# Altium PCB 2017_IHM.PcbDoc (part 2 of 2) (continued)
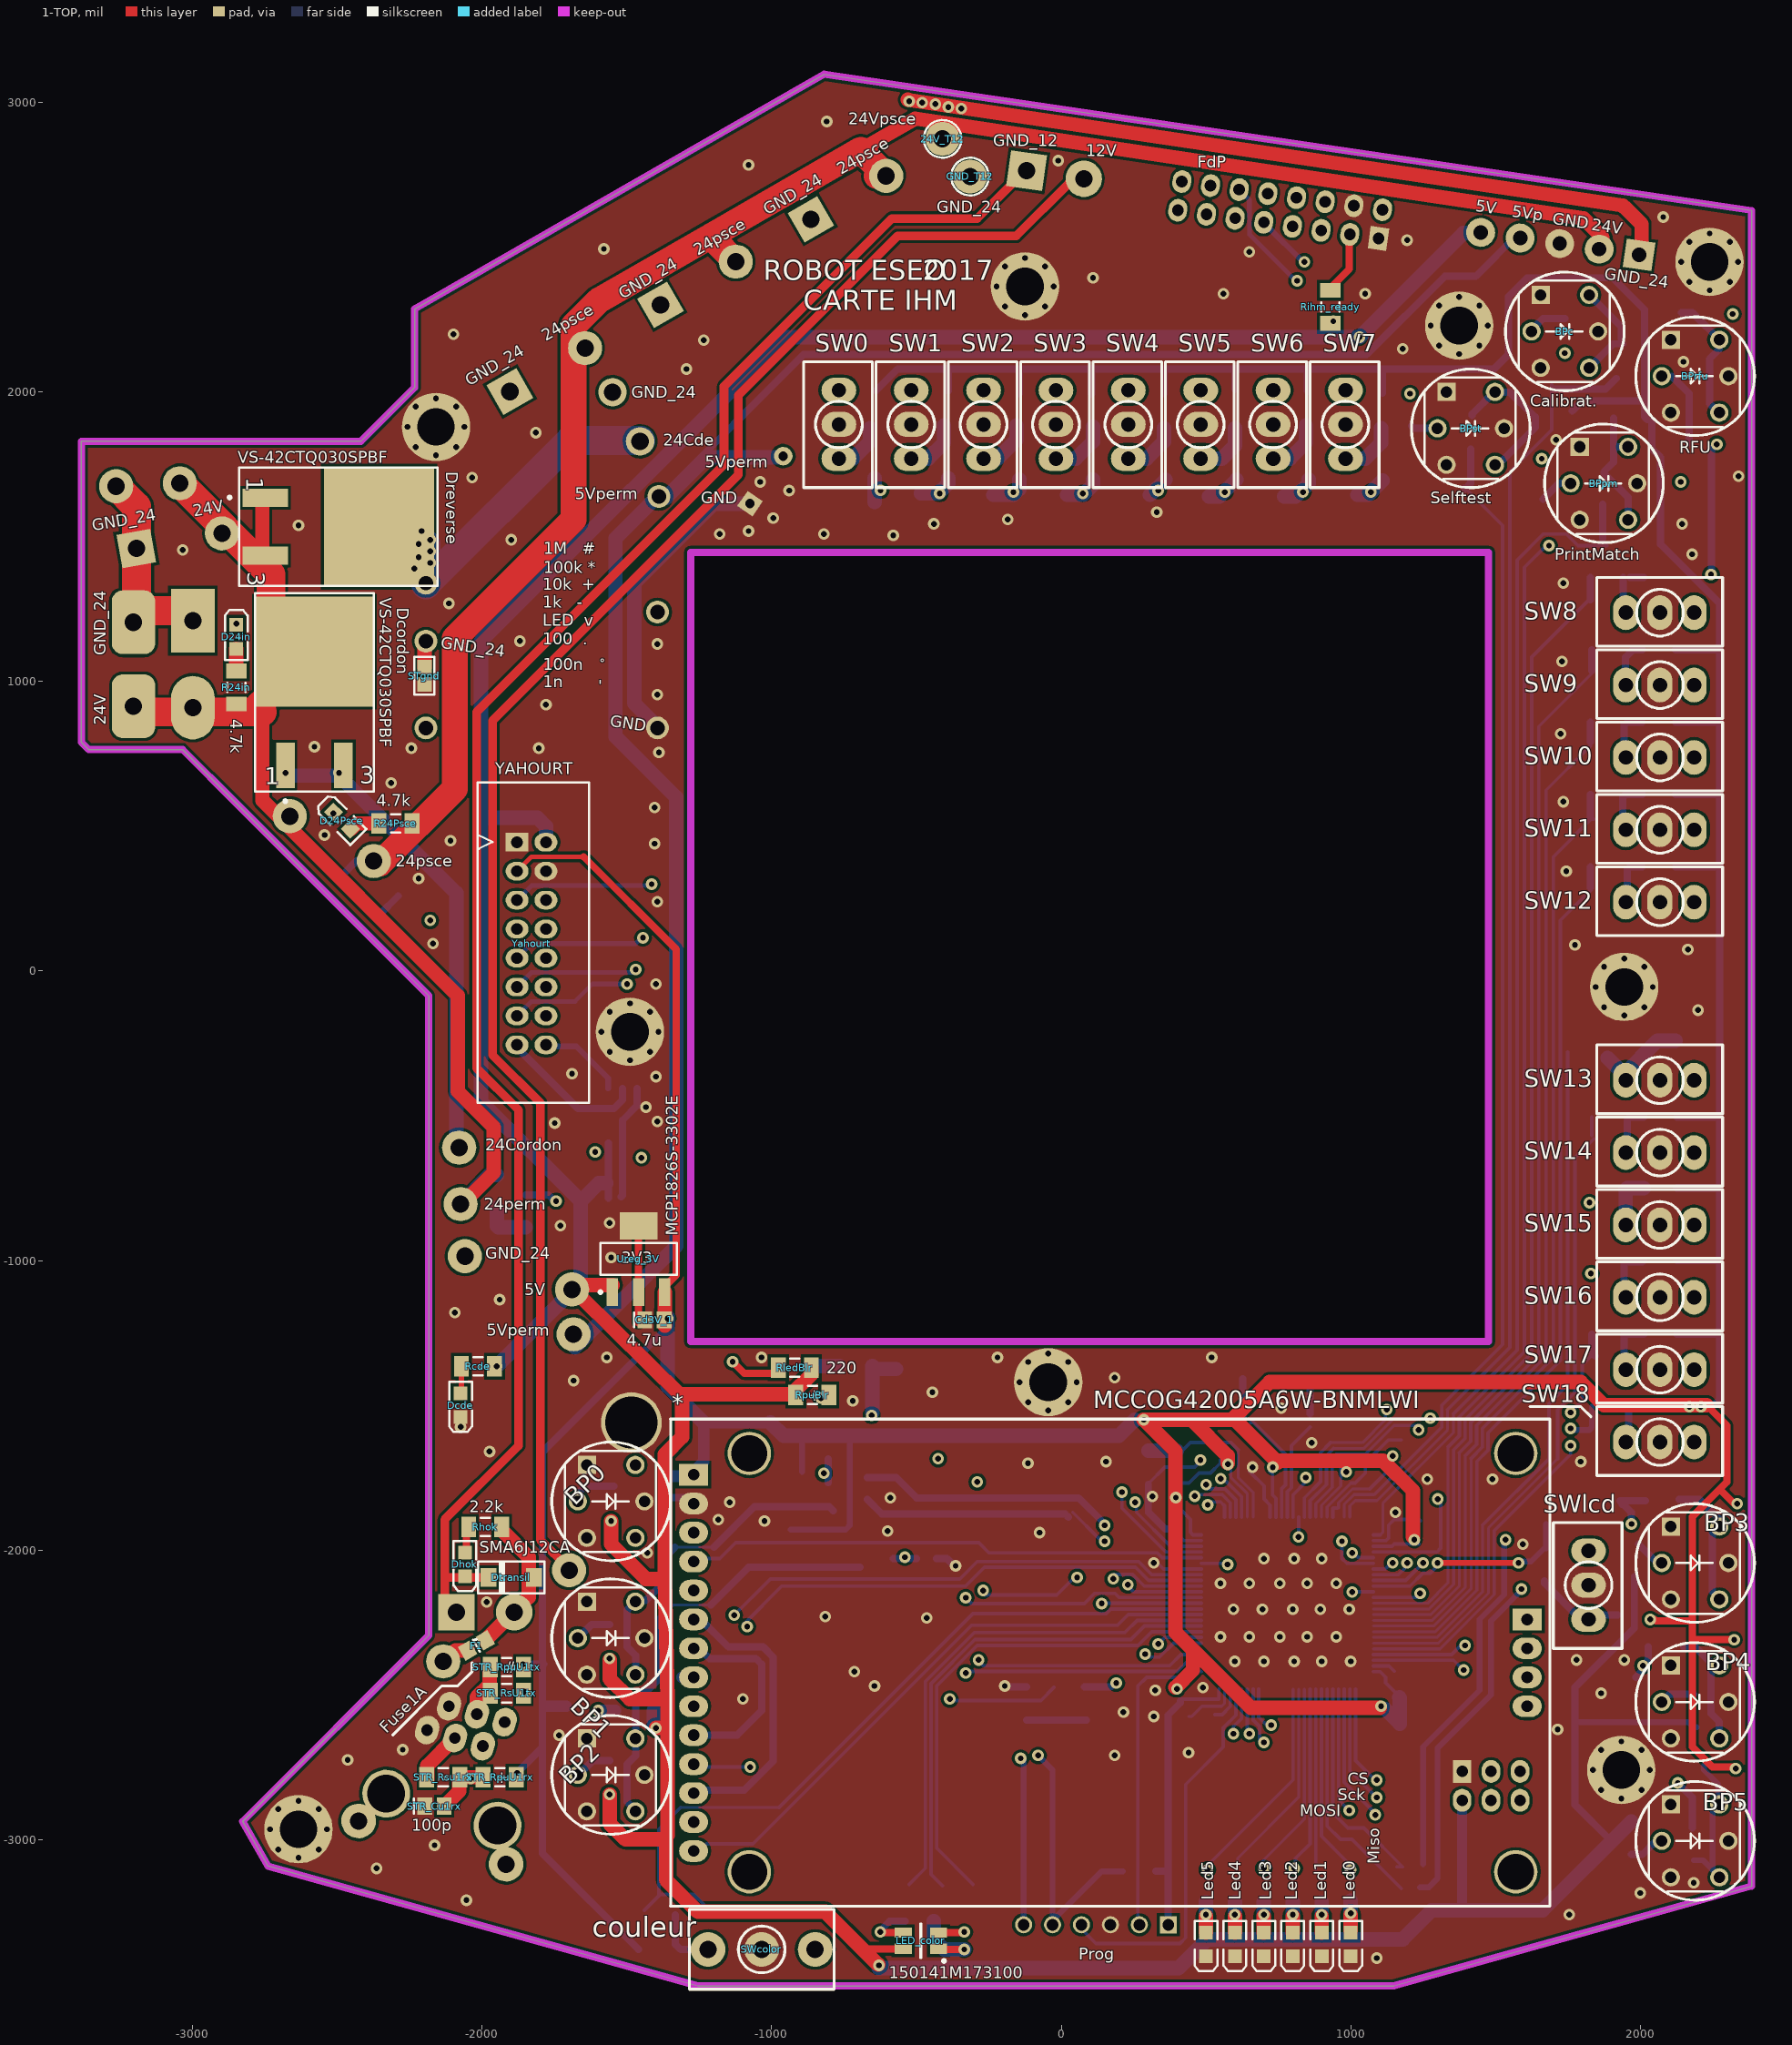
[diagram p0: 1-TOP view]
## Nets (pads, with @x,y where several pads share a name; then routed paths per layer and width w, separated by ;. In a path a pad name is that pad's centre, name@x,y a point inside that pad or via, vN(x,y) a via of type N, cw(c..) or ccw(c..) an arc to the next point about the centre after c; other vN are vias at no path point) (continued)
  2-SIGNAL w12: *.5@-1260,-2150 -625,-2150 -400,-2375 -290,-2375 v1(-285,-2380)
  4-BOT w12: v1@-275,-2395 -270,-2400 375,-2400 413.82,-2361.18 STM32.79@483.74,-2361.18
PC13_WHO_AM_I: STM32.7 STR_RdwnWAmI.2 STR_RupWAmI.1 | length 562.9
  4-BOT w10: 610.98,-1654.02 610.98,-1749.02 662.87,-1800.91 STM32.7@662.87,-1886.77
  4-BOT w12: STR_RupWAmI.1@420.98,-1654.02 445.98,-1629.02 585.98,-1629.02 610.98,-1654.02
  4-BOT w50: STR_RdwnWAmI.2@300.98,-1656.93 STR_RupWAmI.1@395.98,-1656.93 STR_RupWAmI.1@398.9,-1656.93
PD0_CANRX: STM32.81 STR_Ucan.4 | length 3196.8
  2-SIGNAL w20: v1@-1620,-630 -1505,-745 -1505,-1350 -1285,-1570 -745,-1570 50,-2365 v1@295,-2365
  4-BOT w12: v1@295,-2370 340,-2370 388.19,-2321.81 STM32.81@483.74,-2321.81
  other v1: 290,-2360 -1610,-625
PD1_CANTX: STM32.82 STR_Ucan.1 | length 3035
  2-SIGNAL w20: v1@-1460,-650 v1@-1450,-640 ; v1@-1435,-650 -1450,-665 -1450,-1305 -1220,-1535 -730,-1535 55,-2320 v1@330.98,-2320
  4-BOT w12: v1(335,-2325) 357.87,-2302.13 STM32.82@483.74,-2302.13
  other v1: -1450,-645
PD2_LED_GREEN: RGreen.1 STM32.83 | length 1728.2
  4-BOT w12: RGreen.1@-305,-3155 -430,-3030 -430,-2470 -290,-2330 265,-2330 312.56,-2282.44 STM32.83@483.74,-2282.44
PD3_LED_RED: Rred.1 STM32.84 | length 1730.5
  4-BOT w12: Rred.1@-410,-3160 -449.69,-3120.31 -449.69,-2461.85 -297.84,-2310 240,-2310 287.24,-2262.76 STM32.84@483.74,-2262.76
PD4_LED_BLUE: RBlue.1 STM32.85 | length 1764.7
  4-BOT w12: RBlue.1@-525,-3155 -469.37,-3099.37 -469.37,-2453.69 -300.68,-2285 220,-2285 261.93,-2243.07 STM32.85@483.74,-2243.07
PD5_T_IRQ: *.14 STM32.86 | length 2064.9
  4-BOT w12: *.14@-1245,-3035 -1225,-3015 -1065,-3015 -310,-2260 195,-2260 231.61,-2223.39 STM32.86@483.74,-2223.39
PD6_SW_COLOR: CfSWcolor.2 RsSWcolor.2 STM32.87 | length 2689.9
  4-BOT w10: -1315,-2890 -975,-2890
  4-BOT w12: RsSWcolor.2@-1440,-3245 -1390,-3195 -1390,-3190 ; -1315,-2890 -1390,-2965 -1390,-3190 ; CfSWcolor.2@-1233.46,-3255 -1233.46,-3226.54 -1270,-3190 -1390,-3190 ; -975,-2890 -305,-2220 155,-2220 171.3,-2203.7 STM32.87@483.74,-2203.7
PD7_BIROUTE: CfBir.2 RsBir.2 STM32.88 | length 1637
  2-SIGNAL w12: v1@-650,-1530 5,-2185 v1(140,-2185)
  4-BOT w12: v1@150.98,-2184.02 STM32.88@483.74,-2184.02
  4-BOT w50: v1@-652.91,-1525 RsBir.2@-652.91,-1365 ; RsBir.2@-652.91,-1375 CfBir.2@-570,-1375
  other v1: -655,-1535
PD10_LED0: LEDs.6 Rled0.2 STM32.57 | length 1356.3
  2-SIGNAL w12: v1(1000,-3105) 1060,-3045 1435,-3045 1585,-2895 LEDs.6@1585,-2865
  4-BOT w12: STM32.57@899.09,-2481.26 899.09,-2989.09 985,-3075 Rled0.2@985,-3100
PD11_LED1: Rled1.2 STM32.58 | length 623.1
  4-BOT w12: Rled1.2@879.41,-3104.41 STM32.58@879.41,-2481.26
PD12_LED2: LEDs.3 Rled2.2 STM32.59 | length 1610.6
  2-SIGNAL w12: v1@805,-3105 885,-3025 1428.13,-3025 1535,-2918.13 1535,-2815 LEDs.3@1485,-2765
  4-BOT w12: Rled2.2@810,-3090 810,-3065 859.72,-3015.28 STM32.59@859.72,-2481.26
  other v1: 805,-3100
PD13_LED3: LEDs.5 Rled3.2 STM32.60 | length 1900
  2-SIGNAL w10: v1(700,-3100) 755,-3155 1350.46,-3155 1570.46,-2935 1605,-2935 1640,-2900 1640,-2820 LEDs.5@1585,-2765
  4-BOT w10: Rled3.2@695,-3095 695,-3075 840.04,-2929.96 STM32.60@840.04,-2481.26
PD14_LED4: Rled4.2 STM32.61 | length 690.9
  4-BOT w10: Rled4.2@610,-3085 610,-3065 820.35,-2854.65 STM32.61@820.35,-2481.26
PD15_LED5: LEDs.4 Rled5.2 STM32.62 | length 1856.1
  2-SIGNAL w10: v1(505,-3105) 603,-3007 1420.67,-3007 1485,-2942.67 LEDs.4@1485,-2865
  4-BOT w10: Rled5.2@505,-3090 800.67,-2794.33 STM32.62@800.67,-2481.26
PE0_SW0: CfSW0.2 RsSW0.2 STM32.97 | length 7010.1
  2-SIGNAL w16: v1@-632.5,1652.5 -465,1485 1489.64,1485 1515,1459.64 1515,-1290 1480,-1325 605,-1325 220.98,-1709.02 v1@220.98,-1800
  4-BOT w12: v1(210,-1800) 210,-1855 361.85,-2006.85 STM32.97@483.74,-2006.85
  4-BOT w50: CfSW0.2@-645,1620 RsSW0.2@-645,1702.91
  other v1: -624.02,1660.98
PE1_SW1: CfSW1.2 RsSW1.2 STM32.98 | length 6814.1
  2-SIGNAL w16: v1@-422.5,1642.5 -290,1510 1500,1510 1540,1470 1540,-1300 1490,-1350 620,-1350 255.98,-1714.02 v1@255.98,-1844.02
  4-BOT w12: v1@260,-1845 260,-1870 377.17,-1987.17 STM32.98@483.74,-1987.17
  4-BOT w50: CfSW1.2@-485,1650 CfSW1.2@-481.54,1650 -425,1650 -390,1685 RsSW1.2@-390,1702.91
  other v1: 255,-1835 -420,1650
PE3_SW3: CfSW3.2 RsSW3.2 STM32.2 | length 6273.1
  2-SIGNAL w16: v1@75,1645 185,1535 1510.36,1535 1565,1480.36 1565,-1315 1505,-1375 650,-1375 355,-1670 355,-1835.31 358.98,-1839.29 358.98,-1843.98 370.02,-1855.02 494.98,-1855.02 v1(505.98,-1844.02)
  4-BOT w12: v1@500.98,-1834.02 550.98,-1834.02 564.45,-1847.48 STM32.2@564.45,-1886.77
  4-BOT w50: CfSW3.2@20,1645 75,1645 110,1680 RsSW3.2@110,1697.91
  other v1: 75,1650
PE4_SW4: CfSW4.2 RsSW4.2 STM32.3 | length 5891.2
  2-SIGNAL w16: v1@335,1655 430,1560 1520.71,1560 1552.86,1527.86 ; v1(460.98,-1814.02) 410,-1763.03 410,-1660 670,-1400 1520,-1400 1590,-1330 1590,1490.71 1552.86,1527.86 ; 1552.86,1529.27 1552.86,1527.86
  4-BOT w12: v1@465.98,-1809.02 555.98,-1809.02 584.13,-1837.17 STM32.3@584.13,-1886.77
  4-BOT w50: 307.09,1645 RsSW4.2@360,1697.91
  other v1: 335,1660
PE5_SW5: CfSW5.2 RsSW5.2 STM32.4 | length 5683.7
  2-SIGNAL w16: v1(500.98,-1774.02) 442.98,-1716.02 442.98,-1672.02 689,-1426 1534,-1426 1615,-1345 1615,1501.07 1531.07,1585 630,1585 v1@565,1650
  4-BOT w12: v1@505.98,-1789.02 565.98,-1789.02 603.82,-1826.85 STM32.4@603.82,-1886.77
  4-BOT w50: CfSW5.2@510,1640 547.09,1640 RsSW5.2@605,1697.91
  other v1: 565,1655
PE6_SW6: CfSW6.2 RsSW6.2 STM32.5 | length 5351.5
  2-SIGNAL w16: v1(550.98,-1754.02) 535,-1738.03 535,-1625 710,-1450 1550,-1450 1640,-1360 1640,1515 1540,1615 880,1615 v1@840,1655
  4-BOT w12: v1@565.98,-1759.02 623.5,-1816.54 STM32.5@623.5,-1886.77
  4-BOT w50: CfSW6.2@770,1640 810,1640 855,1685 RsSW6.2@855,1697.91
  other v1: 835,1655
PE7_SW7: CfSW7.2 RsSW7.2 STM32.38 | length 4821.4
  2-SIGNAL w16: v1@1080,1650 1540,1650 1675,1515 v1@1675,1470
  4-BOT w10: STM32.38@1078.23,-2184.02 1265.98,-2184.02 1335.98,-2114.02 1335.98,-1644.02
  4-BOT w12: 1335.98,-1644.02 1375,-1605 1375,-1540 1600,-1315 1600,1395 v1@1680,1475
  4-BOT w50: CfSW7.2@1023.46,1645 1060,1645 v1(1070,1655) RsSW7.2@1110,1695
  other v1: 1685,1470
PE8_SW8: CfSW8.2 RsSW8.2 STM32.39 | length 3981.1
  4-BOT w10: STM32.39@1078.23,-2203.7 1271.3,-2203.7 1355.98,-2119.02 1355.98,-1654.02
  4-BOT w12: 1355.98,-1654.02 1395,-1615 1395,-1550 1625,-1320 1625,1085 CfSW8.2@1820,1280
  4-BOT w25: CfSW8.2@1827.91,1282.91 RsSW8.2@1827.91,1360
PE9_SW9: CfSW9.2 RsSW9.2 STM32.40 | length 3763
  4-BOT w10: STM32.40@1078.23,-2223.39 1276.61,-2223.39 1375.98,-2124.02 1375.98,-1664.02
  4-BOT w12: 1375.98,-1664.02 1415,-1625 1415,-1560 1650,-1325 1650,845 CfSW9.2@1840,1035
  4-BOT w25: CfSW9.2@1832.91,1037.09 RsSW9.2@1832.91,1110
PE10_SW10: CfSW10.2 RsSW10.2 STM32.41 | length 3576.7
  4-BOT w10: STM32.41@1078.23,-2243.07 1281.93,-2243.07 1395.98,-2129.02 1395.98,-1674.02
  4-BOT w12: 1395.98,-1674.02 1435,-1635 1435,-1570 1675,-1330 1675,625 1827.91,777.91 1827.91,832.91 RsSW10.2@1830,835
  4-BOT w25: CfSW10.2@1827.91,792.09 1827.91,832.91 RsSW10.2@1827.91,860
PE11_SW11: CfSW11.2 RsSW11.2 STM32.42 | length 3309.5
  4-BOT w10: STM32.42@1078.23,-2262.76 1287.24,-2262.76 1415.98,-2134.02 1415.98,-1684.02
  4-BOT w12: 1415.98,-1684.02 1455,-1645 1455,-1580 1700,-1335 1700,395 1830,525 CfSW11.2@1840,525
  4-BOT w25: CfSW11.2@1827.91,532.09 RsSW11.2@1827.91,610
PE12_SW12: CfSW12.2 RsSW12.2 STM32.43 | length 3072.3
  4-BOT w10: STM32.43@1078.23,-2282.44 1292.56,-2282.44 1435.98,-2139.02 1435.98,-1694.02
  4-BOT w12: 1435.98,-1694.02 1475,-1655 1475,-1595 1725,-1345 1725,175 CfSW12.2@1830,280
  4-BOT w25: CfSW12.2@1827.91,287.09 RsSW12.2@1827.91,360
PE13_SW13: CfSW13.2 RsSW13.2 STM32.44 | length 2429
  4-BOT w10: STM32.44@1078.23,-2302.13 1297.87,-2302.13 1455.98,-2144.02 1455.98,-1914.02
  4-BOT w12: 1455.98,-1914.02 1685,-1685 1685,-1495 1750,-1430 RsSW13.2@1750,-280
PE14_SW14: CfSW14.2 RsSW14.2 STM32.45 | length 2252
  4-BOT w10: STM32.45@1078.23,-2321.81 1303.19,-2321.81 1475.98,-2149.02 1475.98,-1924.02 1715,-1685
  4-BOT w12: 1715,-1685 1715,-1515 1775,-1455 1775,-645 CfSW14.2@1840,-580 ; CfSW14.2@1832.91,-567.91 RsSW14.2@1832.91,-505
PE15_SW15: CfSW15.2 RsSW15.2 STM32.46 | length 2039.2
  2-SIGNAL w12: v1@1765,-1650 1765,-1640 1880,-1525 1880,-855 v1(1825,-800)
  4-BOT w10: STM32.46@1078.23,-2341.5 1308.5,-2341.5 1495.98,-2154.02 1495.98,-1934.02
  4-BOT w12: 1495.98,-1934.02 1760,-1670 v1(1760,-1640)
PROG_NRST: Cnrst.2 P1.5 Rnrst.1 STM32.14 | length 3071
  2-SIGNAL w12: v1(-270,-2140) -85,-2325 v1@-85,-2700 ; v1@45,-2090 110,-2025 110,-1890 120,-1880 518.08,-1880 598.08,-1800 805,-1800 v1@860,-1745
  4-BOT w12: v1@-265,-2155 -15,-2155 v1@45,-2095 ; STM32.14@800.67,-1886.77 800.67,-1809.33 845.98,-1764.02 Cnrst.2@845.98,-1740
  4-BOT w20: v1@-75,-2715 -30,-2760 -30,-3280 140,-3110 Rnrst.1@212.91,-3110
  other v1: -80,-2710 55,-2095 845,-1750
PROG_SWCLK: P1.2 STM32.76 | length 1074.5
  4-BOT w12: P1.2@265,-3305 265,-2470 295,-2440 430,-2440 450,-2420 483.5,-2420 STM32.76@483.74,-2420.24
PROG_SWDIO: P1.4 STM32.72 | length 1326.8
  4-BOT w12: P1.4@65,-3305 120,-3360 410,-3360 430,-3340 430,-2810 560,-2680 560,-2615 603.82,-2571.18 STM32.72@603.82,-2481.26
PROG_SWO: P1.6 STM32.89 | length 2049.1
  2-SIGNAL w12: v1(-330,-2165) -145,-2350 v1@-145,-2720
  4-BOT w12: v1@-325,-2170 -310,-2185 80,-2185 115,-2150 185,-2150 199.33,-2164.33 STM32.89@483.74,-2164.33 ; v1@-135,-2715 v1@-130,-2720
  4-BOT w20: P1.6@-130,-3295 v1@-130,-2720
  other v1: -140,-2720
STR_LCD_SCL: FdP.14
STR_LCD_SDA: FdP.7
STR_PA2_XBEE_TX: FdP.5 Yahourt.5 | length 4441.2
  2-SIGNAL w16: v1@-1420,300 -1331.01,388.99 -1331.01,1443.99 -1116,1659 -1116,1779 -775,2120 450,2120 FdP.5@903.42,2573.42
  4-BOT w12: v1@-1420,295 v1(-1415,300)
  4-BOT w16: Yahourt.5@-1880,245 -1830,295 v1@-1420,295
STR_PA3_XBEE_RX: FdP.6 Yahourt.6 | length 4728
  2-SIGNAL w16: Yahourt.6@-1780,245 -1715,310 -1715,1740 -1325,2130 -1210,2130 -812.06,2527.94 -806.11,2527.94 -679.06,2655 135,2655 340,2860 595,2860 635,2820 685,2820 765,2740 840,2740 FdP.6@937.17,2642.83
STR_PA5_RF_XBEE_RESET: FdP.8 FdP.10 Yahourt.8 Yahourt.10 | length 4771.3
  2-SIGNAL w16: Yahourt.10@-1780,45 Yahourt.8@-1780,145 ; Yahourt.8@-1775,140 -1685,230 -1685,1735 -1390,2030 -1265,2030 -795.06,2499.94 -794.51,2499.94 -669.46,2625 160,2625 370,2835 575,2835 739.33,2670.67 829.33,2670.67 FdP.8@830,2670
STR_PA6_RF_CONFIG: FdP.11 Yahourt.11 | length 4454.2
  2-SIGNAL w16: v1@-1488,13.4 -1488,1367 -1172,1683 -1172,1813 -800,2185 185,2185 FdP.11@595,2595
  4-BOT w16: Yahourt.11@-1880,-55 -1830,-5 -1475,-5 v1@-1470,0
  other v1: -1470,5
STR_PC8_SYNCHROBALISE: FdP.13 Yahourt.13 | length 4457.7
  2-SIGNAL w16: v1@-1516,-42.5 -1516,1379 -1200,1695 -1200,1830 -815,2215 115,2215 499.48,2599.48 FdP.13@505,2599.48
  4-BOT w16: Yahourt.13@-1880,-155 -1830,-105 -1680,-105 -1620,-45 v1@-1495,-45
  other v1: -1500,-45
STR_PD8_RF_TX: FdP.9 rx.2 Yahourt.9 | length 12262.1
  2-SIGNAL w16: v1@-1447.5,112.5 -1460,125 -1460,1355 -1144,1671 -1144,1796 -785,2155 260,2155 675,2570 FdP.9@695,2570
  2-SIGNAL w20: v1@835,2450 870,2415 1880,2415 1960,2335 1960,1985 2340,1605 2340,-1760 2265,-1835 1707,-1835 1665,-1877 1665,-2070 v1@1595,-2140
  4-BOT w16: Yahourt.9@-1880,45 -1830,95 -1470,95 v1@-1450,115
  4-BOT w20: FdP.9@710,2575 835,2450 v1(840,2450) ; rx.2@1240,-3165 1270,-3165 1300,-3135 1300,-2685 1485,-2500 1485,-2245 v1@1600,-2130
  other v1: 1590,-2135 -1445,115
STR_PD9_RF_RX: FdP.12 tx.2 Yahourt.12 | length 12469.5
  2-SIGNAL w16: Yahourt.12@-1770,-50 -1655,65 -1655,1730 -1460,1925 -1330,1925 -783.06,2471.94 -782.92,2471.94 -659.86,2595 185,2595 400,2810 510,2810 FdP.12@635.41,2684.59
  2-SIGNAL w20: v1@820,2385 1850,2385 1920,2315 1920,1980 2310,1590 2310,-1730 2235,-1805 1690,-1805 1535,-1960 v1(1535,-1965)
  4-BOT w16: FdP.12@614.87,2699.59 650,2664.45 650,2608.35 651.3,2607.05 651.3,2543.7 810,2385 v1@810,2380
  4-BOT w20: tx.2@1250,-3085 1250,-2680 1445,-2485 1445,-2240 1530,-2155 v1@1530,-1960
  other v1: 815,2385
pads on no net: *.0 *.15 *.16 *.17 *.18 STM32.1 STM32.8 STM32.9 STM32.25 STM32.67 STM32.77 STM32.80 STR_UART1.1 STR_UART1.2 STR_UART1.FIX1 STR_UART1.FIX2 STR_Ucan.5 SW0.NO1 SW1.NO1 SW2.NO1 SW3.NO1 SW4.NO1 SW5.NO1 SW6.NO1 SW7.NO1 SW8.NO1 SW9.NO1 SW10.NO1 SW11.NO1 SW12.NO1 SW13.NO1 SW14.NO1 SW15.NO1 SW16.NO1 SW17.NO1 SW18.NO1 SWcolor.NO1 SWlcd.NO1 TR_5V.4 TR_5V.6 Yahourt.7 Yahourt.14

## Polygon pours and split planes (outlines as drawn)
GND on 2-SIGNAL "2-GND" (solid, pour order 16): 2385,2620 2400,-3145 1080,-3525 -1224.12,-3520.17 -2943.09,-3048.09 -2195,-2300 -2195,-85 -3040,760 -3410,760 -3410,1840 -2415,1830 -2245,2010 -2245,2285 -820,3120 1585,2760
GND_24 on 2-SIGNAL "2-GND24" (solid, pour order 12): -815,3070 -1785,2510 -2195,2265 -2195,1800 -3355,1800 -3355,800 -3020,800 -2135,-85 -2145,-95 -2145,-1045 -2075,-1115 -2070,-1110 -1990,-1110 -1870,-965 -1875,-340 -1945,-305 -1945,505 -1715,1400 -1730,1665 -700,2645 -215,2655 -215,2990
GND on 1-TOP "1-GND" (solid, pour order 15): 2385,2620 2400,-3145 1080,-3525 -1224.12,-3520.17 -2943.09,-3048.09 -2195,-2300 -2195,-85 -3040,760 -3410,760 -3410,1840 -2415,1830 -2245,2010 -2245,2285 -820,3120 1585,2760
GND on 3-GND "3-GND" (solid, pour order 14): 2385,2620 2400.03,-3156.13 1118.4,-3525.08 -1224.12,-3520.17 -2943.09,-3048.09 -2195,-2300 -2195,-85 -3040,760 -3410,760 -3410,1840 -2415,1830 -2245,2010 -2245,2285 -820,3120 1585,2760
GND on 4-BOT "4-GND" (solid, pour order 13): 2385,2620 2400.03,-3155.75 1117.1,-3525.08 -1224.12,-3520.17 -2943.09,-3048.09 -2195,-2300 -2195,-85 -3040,760 -3410,760 -3410,1840 -2415,1830 -2245,2010 -2245,2285 -820,3120 1585,2760

## Keep-outs
Keep-Out Layer:
  lines w25: -3385,790 -3360,765 -3035,765 -2850,580 -2185,-85 -2185,-485 -2185,-2295 -2827.62,-2937.62 -2740.43,-3092.18 -1255.91,-3505.91 1148.52,-3505.91 2385,-3161.31 2385,2627.7 -819.6,3098.21 -2234.02,2287.07 -2234.02,2015.98 -2420,1830 -2685,1830 -3385,1830 -3385,790 ; -1280,-1279.53 1476.38,-1279.53 1476.38,1445.98 -1280,1445.98 -1280,-1279.53

## Silkscreen, mask and mechanical layers (free items; w line width, h text height)
Top Overlay:
  lines w10: -2310,-2640 -2140,-2470 -2085,-2470 -2035,-2420 -2035,-2390 ; -2025,-2310 -2020,-2310 ; 1620,-1505 1795,-1505 ; 1800,-1510 1830,-1540
  text "24Vpsce" at -735,2925 h40
  text "GND_12" at -235,2850 h40
  text "12V" at 85,2815 h40
  text "FdP" at 470,2775 h40
  text "24psce" at -760,2750 h40 r30
  text "5V" at 1430,2625 h40 r352
  text "GND_24" at -430,2620 h40
  text "GND_24" at -1015,2610 h40 r30
  text "5Vp" at 1555,2605 h40 r352
  text "GND" at 1695,2580 h40 r352
  text "24V" at 1830,2560 h40 r352
  text "24psce" at -1255,2470 h40 r30
  text "GND_24" at 1875,2390 h40 r352
  text "ROBOT ESEO" at -1029.02,2364.02 h120
  text "2017" at -479.02,2364.02 h120
  text "GND_24" at -1515,2320 h40 r30
  text "." at 925,2290 h40
  text "CARTE IHM" at -890,2260 h120
  text "24psce" at -1780,2175 h40 r30
  text "GND_24" at -2045,2020 h40 r30
  text "GND_24" at -1485,1980 h40
  text "Calibrat." at 1620,1950 h40
  text "24Cde" at -1375,1815 h40
  text "RFU" at 2135,1790 h40
  text "VS-42CTQ030SPBF" at -2845,1755 h40
  text "5Vperm" at -1230,1740 h40
  text "5Vperm" at -1680,1630 h40
  text "GND" at -1245,1615 h40
  text "Selftest" at 1275,1615 h40
  text "24V" at -2995,1570 h40 r10
  text "GND_24" at -3345,1520 h40 r10
  text "1M   #" at -1789,1440 h40
  text "PrintMatch" at 1705,1420 h40
  text "100k *" at -1789,1374 h40
  text "10k  +" at -1791,1316 h40
  text "VS-42CTQ030SPBF" at -2355,1290 h40 r270
  text "1k   -" at -1791,1256 h40
  text "LED  v" at -1791,1192 h40
  text "100  ." at -1791,1128 h40
  text "GND_24" at -2145,1115 h40 r352
  text "GND_24" at -3300,1090 h40 r90
  text "°" at -1595,1050 h30
  text "100n" at -1790,1040 h40
  text "1n" at -1790,980 h40
  text "'" at -1600,965 h40
  text "4.7k" at -2870,870 h40 r270
  text "24V" at -3300,850 h40 r90
  text "GND" at -1560,845 h40 r352
  text "YAHOURT" at -1955,680 h40
  text "4.7k" at -2365,570 h40
  text "24psce" at -2300,360 h40
  text "24Cordon" at -1990,-620 h40
  text "24perm" at -1995,-825 h40
  text "MCP1826S-3302E" at -1325,-915 h40 r90
  text "GND_24" at -1990,-995 h40
  text "3V3" at -1520,-1010 h40
  text "5V" at -1855,-1120 h40
  text "5Vperm" at -1985,-1260 h40
  text "4.7u" at -1500,-1295 h40
  text "-" at -1995,-1380 h40 r90
  text "220" at -810,-1390 h40
  text "+" at -875,-1485 h40
  text "MCCOG42005A6W-BNMLWI" at 110,-1510 h60
  text "2.2k" at -2045,-1870 h40
  text "SMA6J12CA" at -2010,-2010 h40
  text "#" at -1925,-2425 h40
  text "." at -1920,-2495 h40
  text "Fuse1A" at -2330,-2635 h40 r45
  text "-" at -2115,-2800 h40 r90
  text "+" at -1955,-2805 h40
  text "CS" at 990,-2810 h40
  text "Sck" at 955,-2865 h40
  text "MOSI" at 825,-2920 h40
  text "100p" at -2245,-2970 h40
  text "Miso" at 1100,-3085 h40 r90
  text "couleur" at -1620,-3360 h120
  text "Prog" at 60,-3415 h40
  text "150141M173100" at -595,-3480 h40
Bottom Overlay:
  text "24psce" at -225,2915 h40 r352
  text "24psce" at -440,2680 h40 r30
  text "GND24" at -240,2625 h40 r352
  text "GND_12" at -55,2550 h40 r352
  text "GND_24" at -695,2535 h40 r30
  text "12V" at 115,2520 h40 r352
  text "FdP" at 60,2465 h40 r352
  text "5V" at 1425,2390 h40 r352
  text "24psce" at -965,2380 h40 r30
  text "FdP" at 755,2370 h40 r352
  text "5Vp" at 1580,2370 h40 r352
  text "GND" at 1725,2350 h40 r352
  text "24" at 1820,2340 h40 r352
  text "FdP" at 1570,2310 h40 r352
  text "*" at 1975,2300 h40
  text "24psce" at -1605,2265 h40 r30
  text "-" at 2250,2240 h40 r270
  text "GND_24" at -1215,2235 h40 r30
  text "*" at 2085,2235 h40
  text "-" at 1750,2155 h40
  text "1000uF/35V" at -860,2125 h40 r30
  text "-" at 1935,2115 h40
  text "-" at -1505,2060 h40 r352
  text "°" at 1590,2030 h30
  text "-" at -1630,1995 h40 r352
  text "-" at -1440,1980 h40 r352
  text "GND_24" at -1745,1935 h40 r30
  text "-" at -1630,1935 h40 r352
  text "*" at -635,1930 h40
  text "*" at -380,1930 h40
  text "-" at -1485,1925 h40 r352
  text "*" at -135,1925 h40
  text "*" at 120,1925 h40
  text "*" at 370,1925 h40
  text "*" at 615,1925 h40
  text "*" at 865,1925 h40
  text "*" at 1120,1925 h40
  text "-" at 1220,1925 h40
  text "*" at 1705,1915 h40
  text "-" at -1555,1900 h40 r352
  text "*" at 1970,1900 h40
  text "+" at -1470,1885 h40 r352
  text "+" at -1390,1875 h40 r352
  text "+" at -1520,1840 h40 r352
  text "+" at -1350,1810 h40 r352
  text "-" at 1410,1805 h40
  text "-" at 2180,1755 h40
  text "+" at -1510,1750 h40 r352
  text "+" at -1385,1750 h40 r352
  text "-" at -635,1745 h40
  text "-" at -380,1745 h40
  text "-" at -130,1740 h40
  text "-" at 120,1740 h40
  text "-" at 615,1740 h40
  text "-" at 865,1740 h40
  text "-" at 1115,1740 h40
  text "-" at 375,1735 h40
  text "°" at 2305,1690 h30
  text "-" at 1670,1670 h40
  text "-" at 1885,1630 h40
  text "°" at 1375,1595 h30
  text "24V" at -2960,1570 h40
  text "°" at -490,1570 h30
  text "GND_24" at -3125,1565 h40
  text "°" at -250,1565 h30
  text "°" at 5,1565 h30
  text "°" at 260,1565 h30
  text "°" at 1010,1565 h30
  text "°" at 495,1560 h30
  text "°" at 755,1560 h30
  text "°" at -655,1540 h30
  text "°" at 2060,1500 h30
  text "24V" at -2805,1375 h40
  text "-" at -3080,1355 h40
  text "-" at 1870,1350 h40 r270
  text "--Legende--" at -2340,1345 h40
  text "*" at 2080,1345 h40
  text "1M   #" at -2394,1265 h40
  text "°" at 1780,1235 h30
  text "100k *" at -2394,1199 h40
  text "10k  +" at -2396,1141 h40
  text "-" at 1880,1100 h40 r270
  text "*" at 2075,1095 h40
  text "1k   -" at -2396,1081 h40
  text "GND_24" at -2890,1060 h40 r270
  text "LED  v" at -2396,1017 h40
  text "°" at 1800,980 h30
  text "100  ." at -2396,953 h40
  text "°" at -2585,875 h30
  text "100n" at -2395,865 h40
  text "24V" at -2900,860 h40 r270
  text "-" at 1870,850 h40 r270
  text "*" at 2075,845 h40
  text "°" at 1795,730 h30
  text "-" at 1870,595 h40 r270
  text "*" at 2075,595 h40
  text "°" at 1800,470 h30
  text "GND" at -1960,425 h40
  text "5V" at -1595,425 h40
  text "-" at 1870,350 h40 r270
  text "*" at 2075,350 h40
  text "3V3" at -1955,325 h40
  text "GND" at -1595,325 h40
  text "*" at -2440,270 h40
  text "XBee_Tx" at -1940,255 h40
  text "XBee_Rx" at -1455,230 h40
  text "°" at 1800,230 h30
  text "+" at -2235,205 h40
  text "ResetRFXBee" at -1310,145 h40
  text "+" at -2305,135 h40
  text "x" at -1955,130 h40
  text "ResetRFXBee" at -1305,35 h40
  text "RF_Tx" at -1940,25 h40
  text "RF_Rx" at -1535,-55 h40
  text "RF_cfg" at -1935,-70 h40
  text "Sync." at -1940,-170 h40
  text "x" at -1665,-175 h40
  text "*" at 2190,-255 h40
  text "-" at 1815,-315 h40 r270
  text "CANH" at -1880,-340 h40
  text "CANL" at -1670,-340 h40
  text "°" at 1725,-395 h30
  text "TrCAN" at -1665,-415 h40 r90
  text "-" at 1875,-515 h40 r270
  text "*" at 2080,-520 h40
  text "°" at 1800,-625 h30
  text "24Cordon" at -1695,-670 h40
  text "°" at -1410,-715 h30
  text "-" at 1875,-760 h40 r270
  text "*" at 2080,-765 h40
  text "*" at -1935,-780 h40
  text "1u" at -1380,-795 h40
  text "24perm" at -1740,-825 h40
  text "+" at -1835,-850 h40
  text "°" at 1805,-885 h30
  text "+" at -1930,-960 h40
  text "GND_24" at -1740,-995 h40
  text "-" at 1875,-1010 h40 r270
  text "*" at 2080,-1015 h40
  text "5V" at -1780,-1125 h40
  text "°" at 1800,-1130 h30
  text "-" at 1875,-1265 h40 r270
  text "*" at 2080,-1270 h40
  text "5Vperm" at -1780,-1280 h40
  text "BIROUTE" at -1285,-1335 h40 r90
  text "17p" at 695,-1355 h40
  text "17p" at 880,-1360 h40
  text "-" at -725,-1375 h40 r270
  text "°" at 1800,-1385 h30
  text "Qz_8Mhz" at 1195,-1425 h40
  text "-" at 1895,-1520 h40 r270
  text "*" at 2100,-1520 h40
  text "°" at -550,-1530 h30
  text "LED" at -1140,-1585 h40
  text "GND" at -990,-1585 h40
  text "Bir" at -830,-1585 h40
  text "1n" at 1160,-1600 h40
  text "Big" at 375,-1615 h40 r270
  text "1n" at 510,-1640 h40
  text "1n" at 1055,-1675 h40
  text "°" at -230,-1690 h30
  text "*" at -745,-1700 h40
  text "Small" at 210,-1730 h40 r270
  text "°" at 1880,-1745 h30
  text "°" at 165,-1750 h30
  text "°" at -90,-1775 h30
  text "-" at -745,-1780 h40 r270
  text "1n" at 715,-1790 h40
  text "*" at -905,-1805 h40
  text "°" at 865,-1820 h30
  text "°" at 1200,-1830 h30
  text "1n" at 1275,-1835 h40
  text "-" at 2090,-1845 h40 r90
  text "°" at 1815,-1855 h30
  text "*" at 2275,-1870 h40
  text "-" at -745,-1880 h40 r270
  text "-" at -1560,-1905 h40
  text "°" at 1555,-1910 h30
  text "*" at -920,-2010 h40
  text "°" at -335,-2010 h30
  text "passage" at -1030,-2015 h40
  text "°" at 415,-2015 h30
  text "-" at 1970,-2015 h40 r180
  text "-" at 1655,-2035 h40 r180
  text "°" at 45,-2040 h30
  text "12V" at -1525,-2045 h40
  text "-" at -655,-2050 h40 r270
  text "fils" at -1160,-2080 h40
  text "biroute" at -1050,-2135 h40
  text "*" at 1990,-2245 h40
  text "-" at 2095,-2320 h40 r90
  text "-" at -1865,-2335 h40
  text "+" at -2035,-2345 h40
  text "*" at 2285,-2350 h40
  text "-" at -1555,-2375 h40
  text "HOKUYO" at -1755,-2380 h40
  text "2.2u" at 1285,-2385 h40
  text "12" at -1995,-2420 h40
  text "°" at 1120,-2500 h30
  text "UART" at -1930,-2510 h40 r344
  text "°" at 290,-2515 h30
  text "°" at 1945,-2525 h30
  text "-" at 2175,-2540 h40 r180
  text "+" at -105,-2550 h40
  text "*" at -5,-2550 h40
  text "+" at 95,-2550 h40
  text "°" at 1130,-2605 h30
  text "°" at 195,-2625 h30
  text "2.2u" at 395,-2655 h40
  text "°" at 2155,-2690 h30
  text "*" at 2280,-2725 h40
  text "-" at 2285,-2795 h40 r90
  text "CS" at 1055,-2810 h40
  text "-" at -1555,-2845 h40
  text "SCK" at 1060,-2865 h40
  text "MOSI" at 960,-2920 h40
  text "Red:150" at 735,-2940 h40
  text "MISO" at 1110,-2945 h40 r90
  text "Blue:100" at 780,-2995 h40
  text "220" at -425,-3010 h40 r90
  text "-" at 1980,-3010 h40
  text "470" at -320,-3015 h40 r90
  text "Green:330" at 825,-3050 h40
  text "-" at -1315,-3055 h40 r90
  text "*" at 515,-3110 h40
  text "*" at 285,-3130 h40
  text "." at -535,-3230 h40
  text "°" at 995,-3360 h30
  text "*" at -1375,-3385 h40
  text "Prog" at 205,-3410 h40
Mechanical 15:
  circle w19.68: c-2557.09,-2165.35 r295.28
  circle w19.68: c2753.94,-2165.35 r295.28
  circle w19.68: c2753.94,2165.35 r295.28
  circle w19.68: c-2557.09,2165.35 r295.28
  circle w19.68: c-3185,410 r314.96
  circle w19.68: c-2965,-670 r472.44
  lines w25: -3657.48,-2836.61 -3657.48,2836.61 ; -3657.23,2837.09 cw(c0,-4927.38) 3654.46,2838.39 ; -3654.46,-2842.86 ccw(c0,4922.91) 3657.23,-2841.56 ; 3657.48,-2836.61 3657.48,2836.61 ; -3532.52,-2332.91 -3532.52,-1937.91 -2927.56,-1937.91 -2927.56,-2332.91 -3532.52,-2332.91 ; -3517.52,-1692.91 -3517.52,-1297.91 -2912.56,-1297.91 -2912.56,-1692.91 -3517.52,-1692.91 ; -984.25,-1181.1 1377.95,-1181.1 1377.95,1181.1 -984.25,1181.1 -984.25,-1181.1
  lines w50: -3020,-2350 -3015,-2345 -3015,-2350 -2845,-2520 -2015,-2520 -1710,-2215 -1710,-2110 ; -2960,-1705 -2960,-2250 -2770,-2440 -2085,-2440 -1750,-2105 -1750,-1330 -1710,-1290
  lines w196.85: -2961.52,1918.48 -2404.02,1360.98 -2404.02,705.98 -2288.58,590.55 -984.25,590.55
  lines w275.59: -2005,-1905 -2005,-780 -1819.02,-594.02 -1470.94,-594.02 -1467.48,-590.55 -984.25,-590.55

## Text inside footprints (layer, text, board x,y; h text height)
CdPerm: Bottom Overlay "+" at -920,1880 h45 r235
Dcordon: Top Overlay "1" at -2752,645 h59.06; Top Overlay "3" at -2424,649 h59.06
Dreverse: Top Overlay "1" at -2815,1707 h59.06 r270; Top Overlay "3" at -2811,1379 h59.06 r270
TR_5V: Bottom Overlay "trim" at -1460,1200 h60; Bottom Overlay "ON/OFF" at -1790,810 h60; Bottom Overlay "THN20" at -1595,1755 h60; Bottom Overlay "-Vin" at -1915,1105 h60; Bottom Overlay "+Vin" at -1910,1315 h60; Bottom Overlay "-Vout" at -1455,815 h60; Bottom Overlay "+Vout" at -1340,1520 h60